# KiCad board Bellbot.kicad_pcb
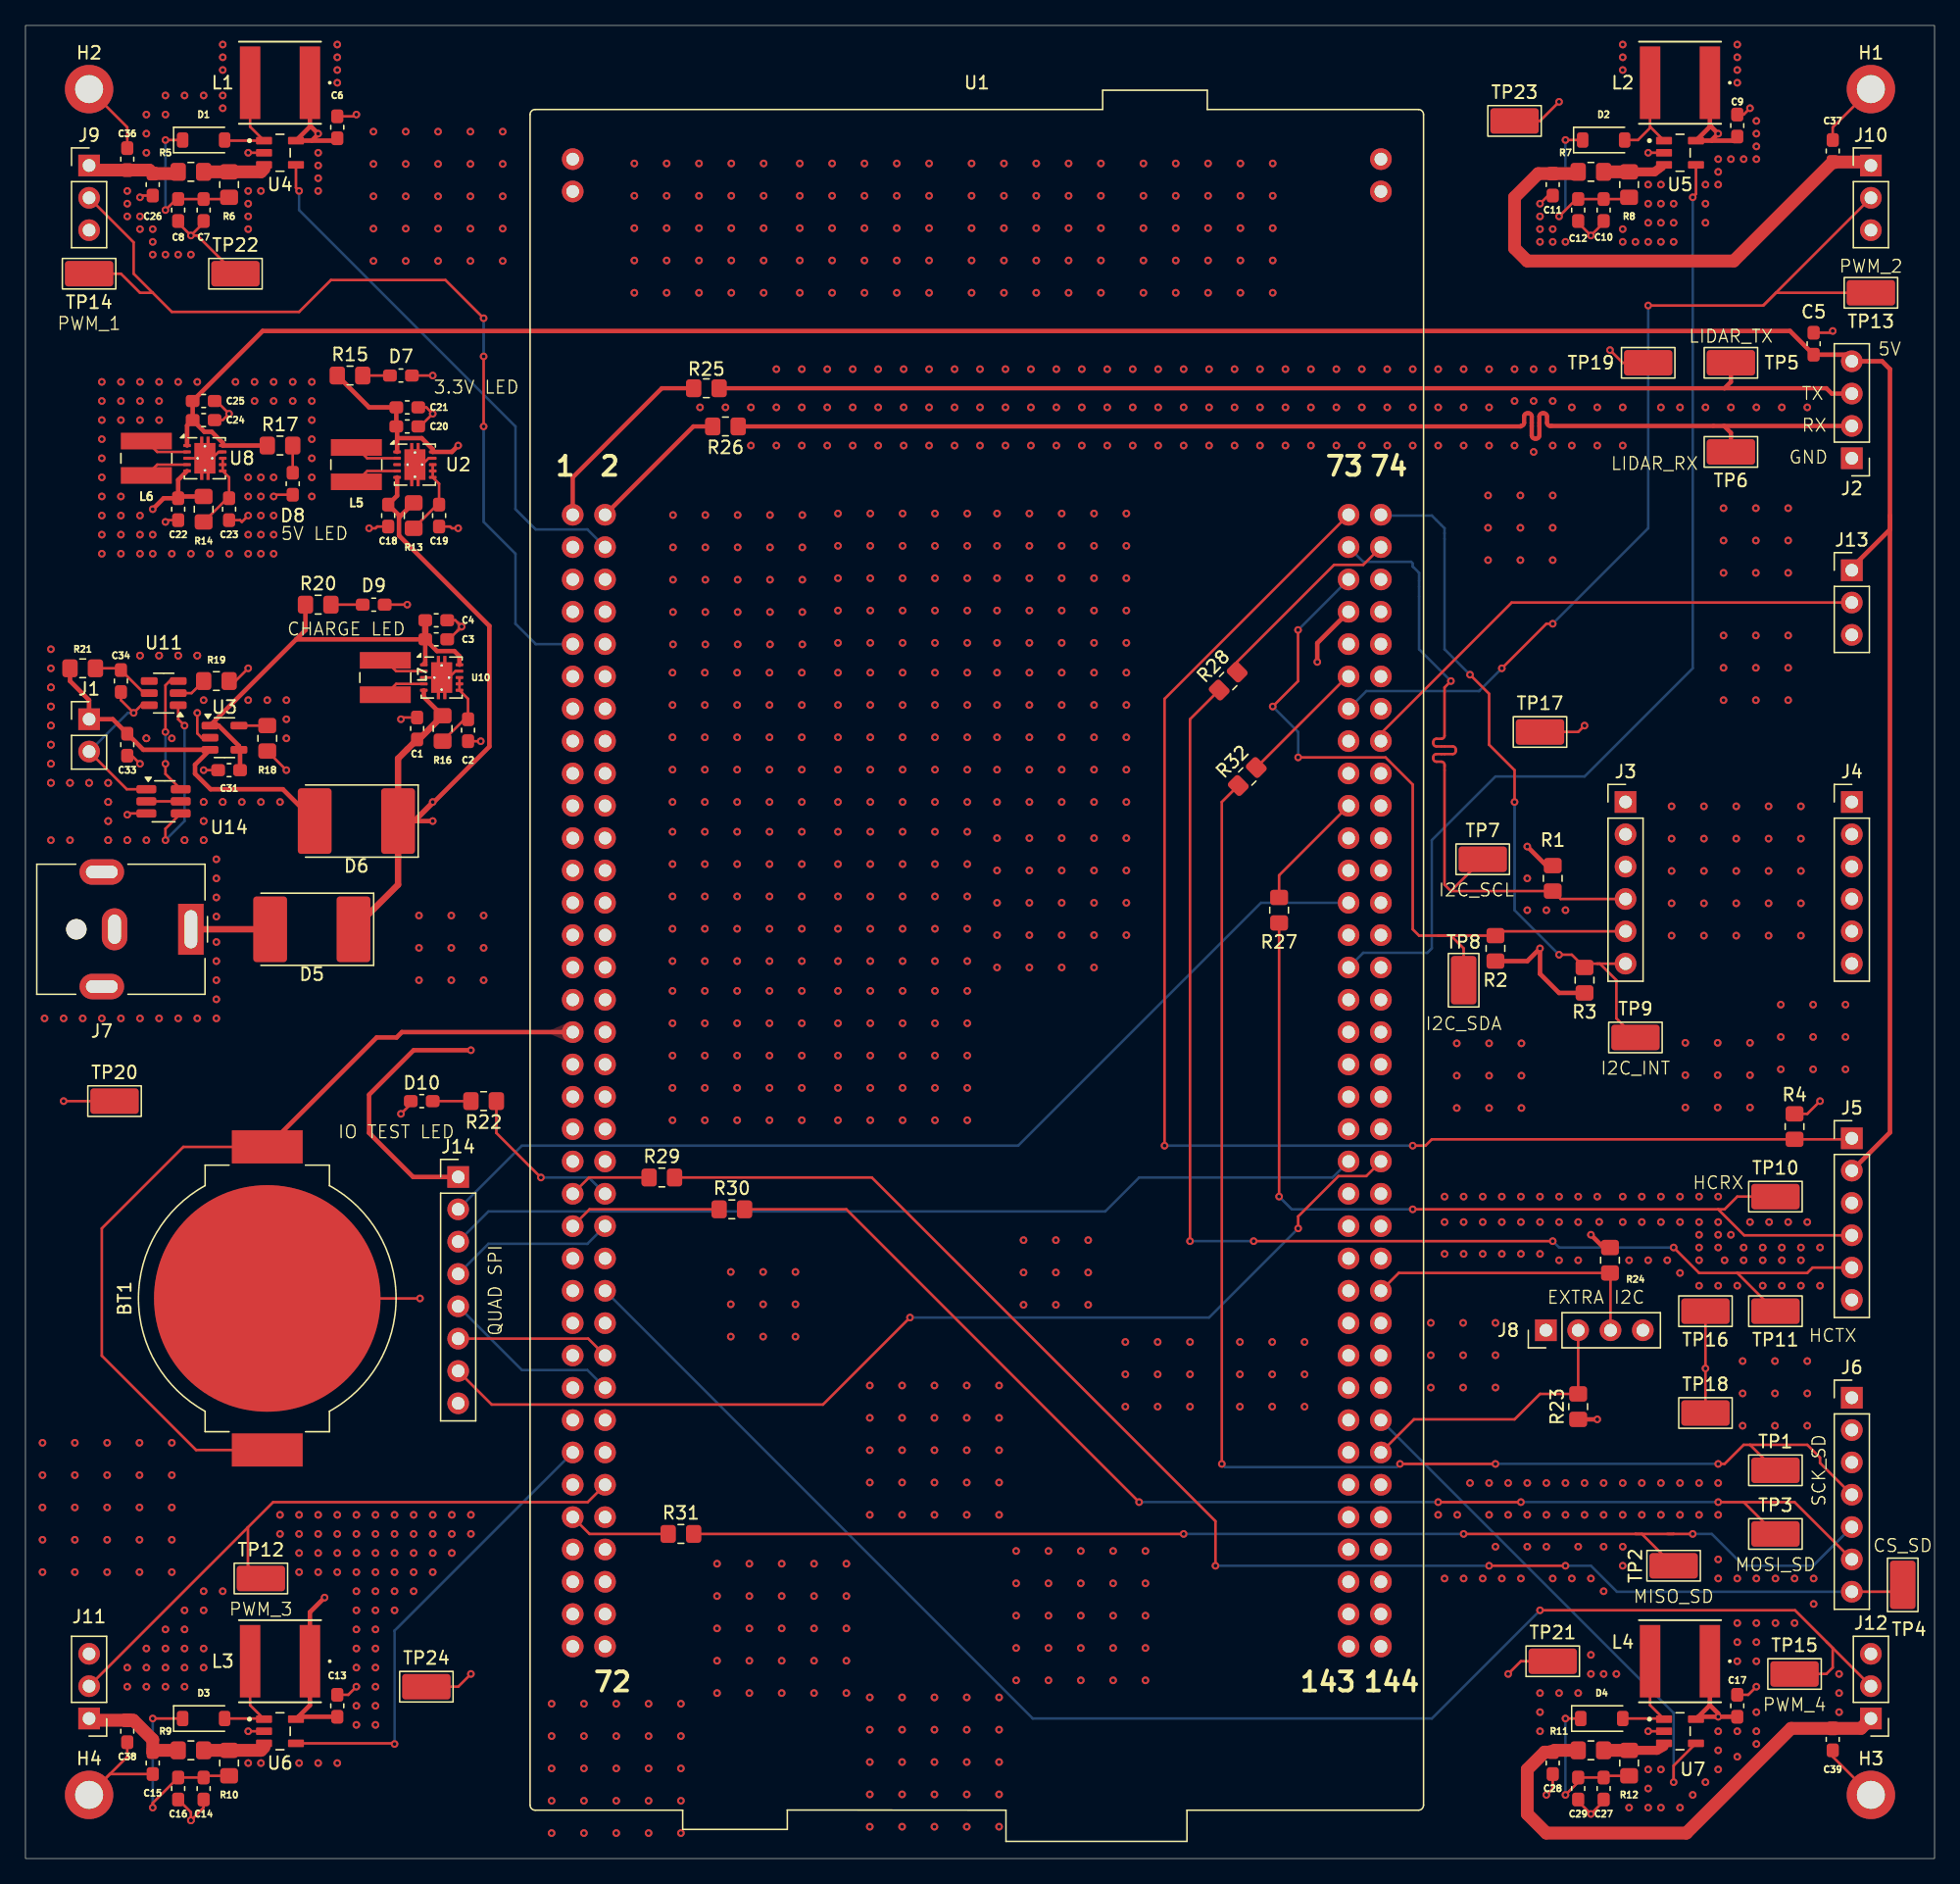
[diagram p0: board, top side]
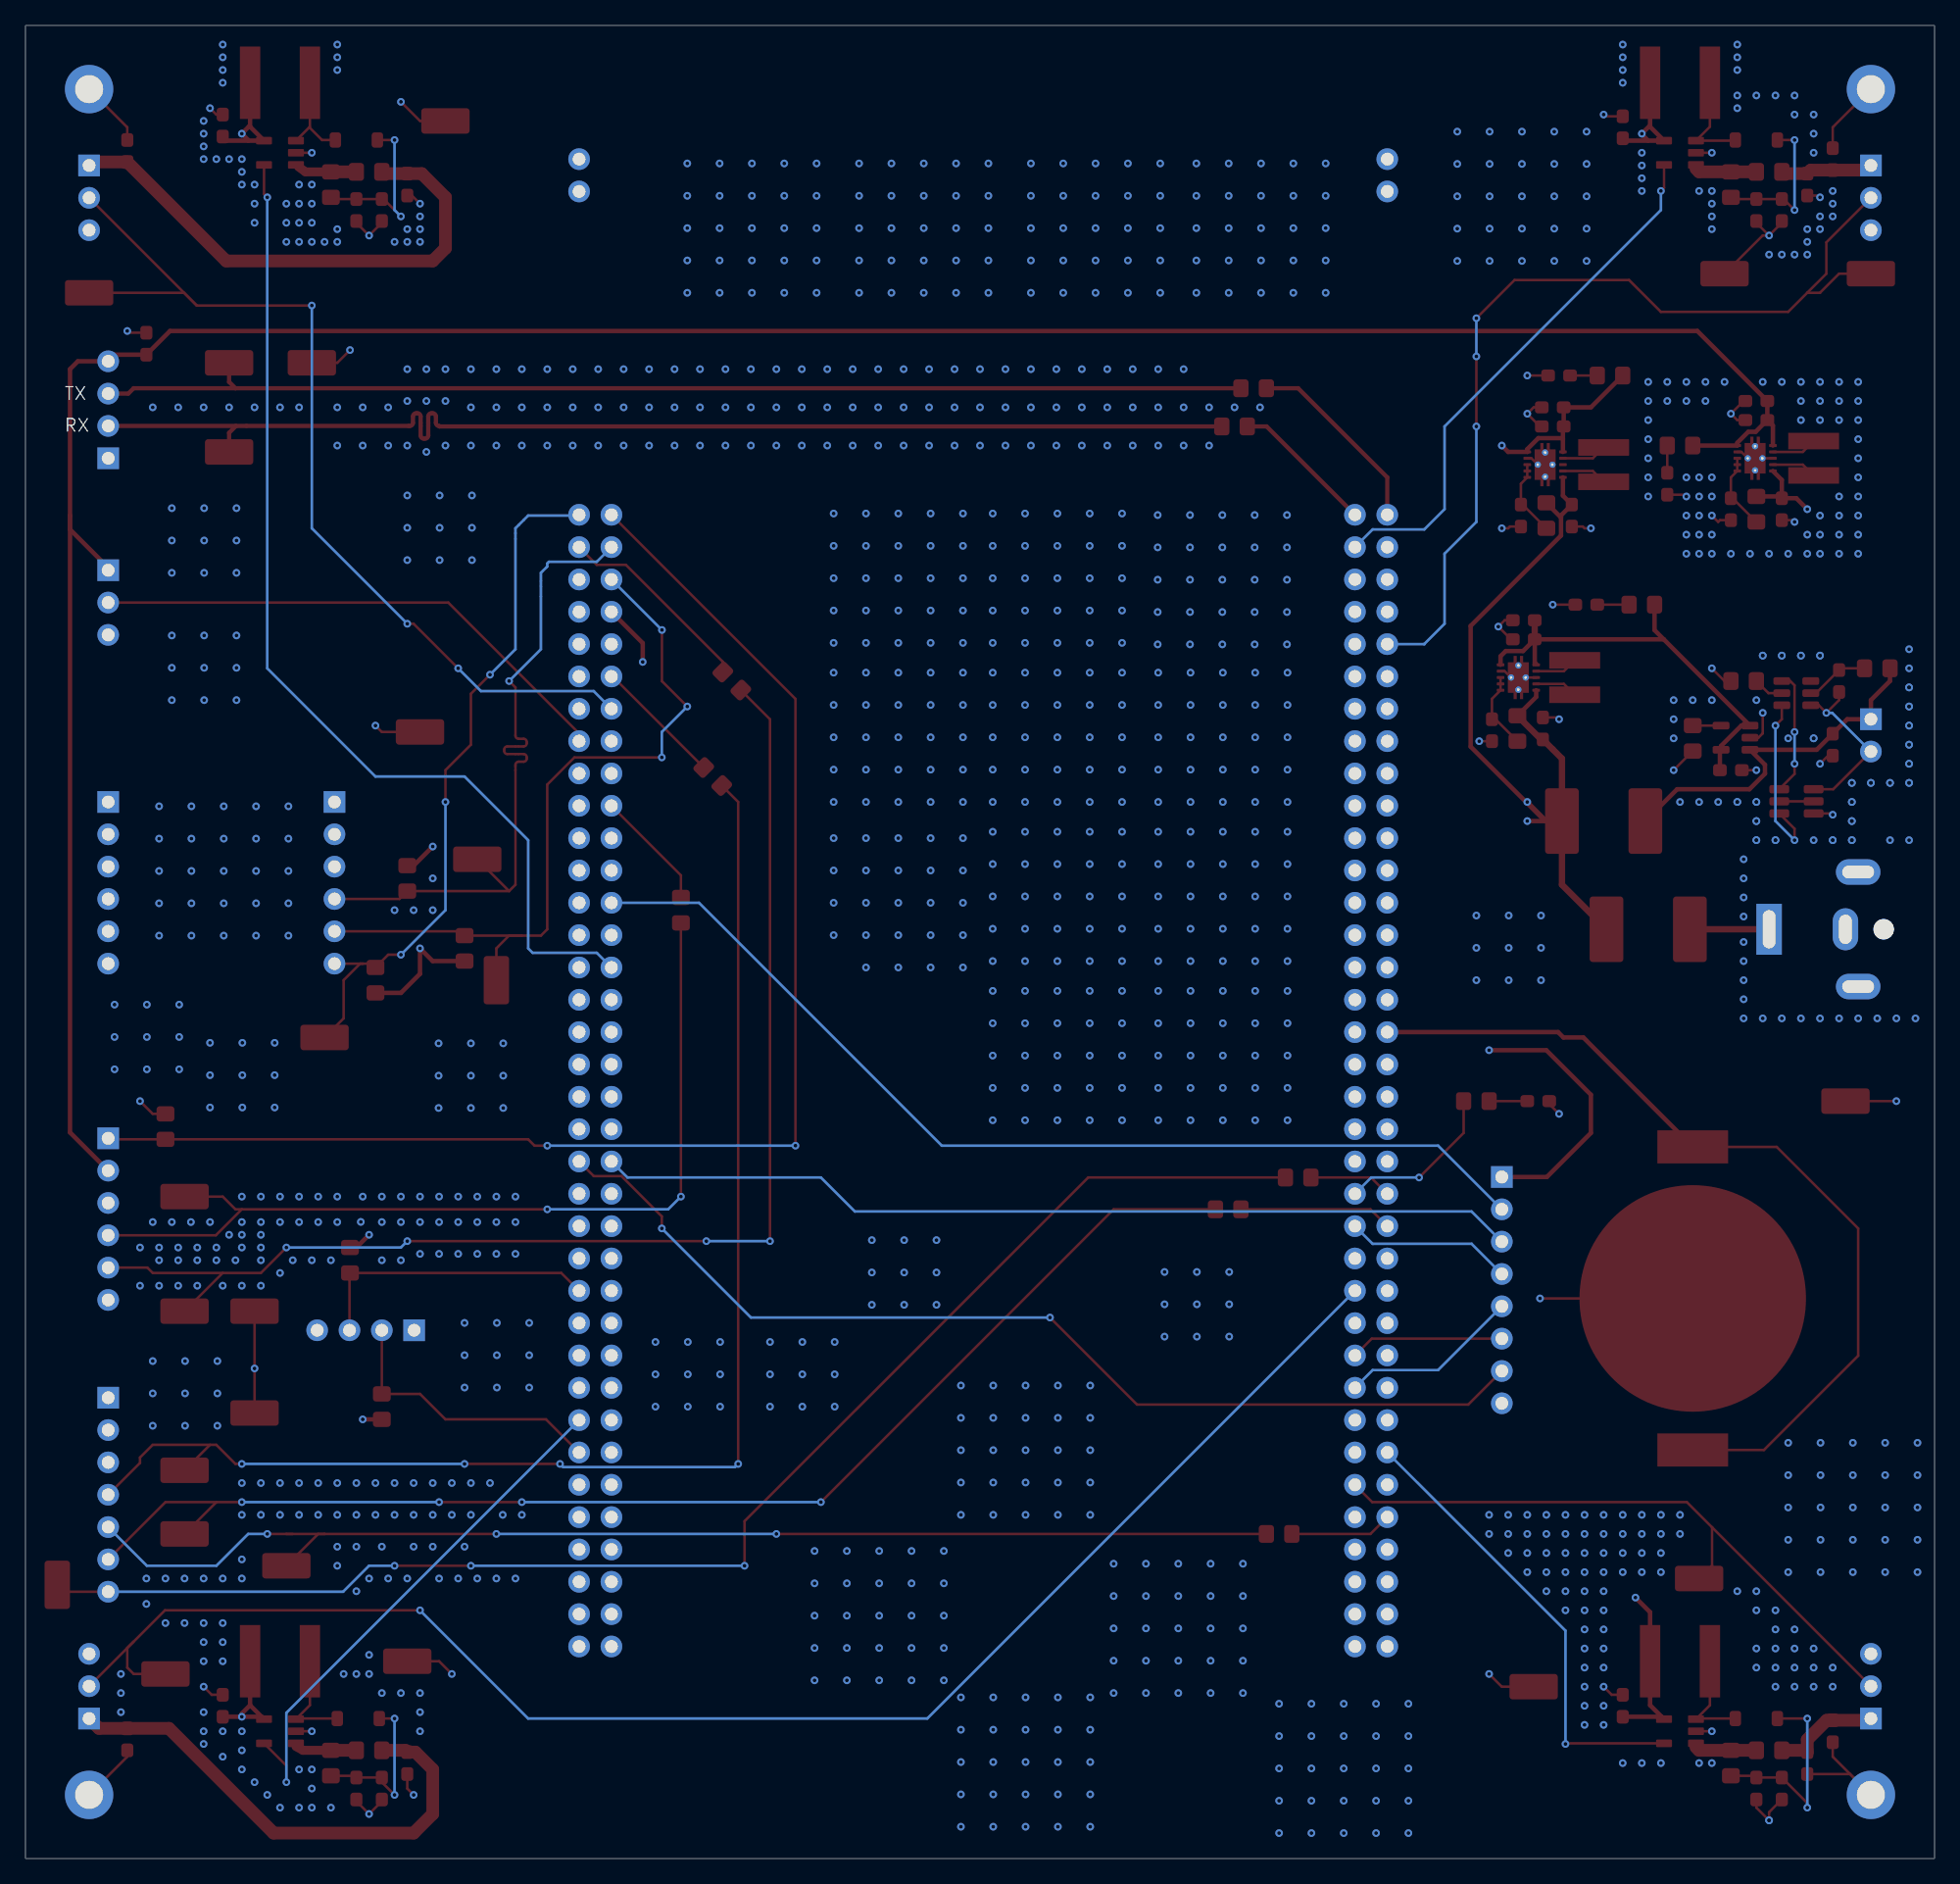
[diagram p1: board, bottom side, seen from below]

Outline 150 x 144 mm; copper layers: Top, In1.Cu, In2.Cu, Bottom. Coordinates in mm from the lower left corner of the outline.
Outline path: rectangle 0,144 150,0
Stack: Top 0.035mm / dielectric 0.203mm 7628 er 4.4 / In1.Cu 0.03mm / dielectric 1.03mm FR4 er 4.5 / In2.Cu 0.03mm / dielectric 0.203mm 7628 er 4.4 / Bottom 0.035mm

## Placement (name value [footprint] x y rotation side)
BT1  Battery_Cell  [BatteryHolder_MPD_BC2003_1x2032]  19 44 90 top
C1  10uF  [C_0603_1608Metric_Pad1.08x0.95mm_HandSolder]  30.78 88.78 90 top
C2  .1uF  [C_0603_1608Metric_Pad1.08x0.95mm_HandSolder]  34.78 88.64 270 top
C3  10uF  [C_0603_1608Metric_Pad1.08x0.95mm_HandSolder]  32.28 95.78 0 top
C4  10uF  [C_0603_1608Metric_Pad1.08x0.95mm_HandSolder]  32.28 97.28 0 top
C5  100nF  [C_0603_1608Metric_Pad1.08x0.95mm_HandSolder]  140.5 119 90 top
C6  4.7uF  [C_0603_1608Metric_Pad1.08x0.95mm_HandSolder]  24.5 136 90 top
C7  47pF  [C_0603_1608Metric_Pad1.08x0.95mm_HandSolder]  14 129.5 270 top
C8  22uF  [C_0603_1608Metric_Pad1.08x0.95mm_HandSolder]  12 129.5 270 top
C9  4.7uF  [C_0603_1608Metric_Pad1.08x0.95mm_HandSolder]  134.5 136.14 90 top
C10  47pF  [C_0603_1608Metric_Pad1.08x0.95mm_HandSolder]  124 129.5 270 top
C11  10uF  [C_0603_1608Metric_Pad1.08x0.95mm_HandSolder]  120 131.5 270 top
C12  22uF  [C_0603_1608Metric_Pad1.08x0.95mm_HandSolder]  122 129.5 270 top
C13  4.7uF  [C_0603_1608Metric_Pad1.08x0.95mm_HandSolder]  24.5 12 90 top
C14  47pF  [C_0603_1608Metric_Pad1.08x0.95mm_HandSolder]  14 5.5 270 top
C15  10uF  [C_0603_1608Metric_Pad1.08x0.95mm_HandSolder]  10 7.5 270 top
C16  22uF  [C_0603_1608Metric_Pad1.08x0.95mm_HandSolder]  12 5.5 270 top
C17  4.7uF  [C_0603_1608Metric_Pad1.08x0.95mm_HandSolder]  134.5 12 90 top
C18  10uF  [C_0603_1608Metric_Pad1.08x0.95mm_HandSolder]  28.5 105.5 270 top
C19  .1uF  [C_0603_1608Metric_Pad1.08x0.95mm_HandSolder]  32.5 105.5 270 top
C20  10uF  [C_0603_1608Metric_Pad1.08x0.95mm_HandSolder]  30 112.5 0 top
C21  10uF  [C_0603_1608Metric_Pad1.08x0.95mm_HandSolder]  30 114 0 top
C22  10uF  [C_0603_1608Metric_Pad1.08x0.95mm_HandSolder]  12 106 270 top
C23  .1uF  [C_0603_1608Metric_Pad1.08x0.95mm_HandSolder]  16 106 270 top
C24  10uF  [C_0603_1608Metric_Pad1.08x0.95mm_HandSolder]  14 113 0 top
C25  10uF  [C_0603_1608Metric_Pad1.08x0.95mm_HandSolder]  14 114.5 0 top
C26  10uF  [C_0603_1608Metric_Pad1.08x0.95mm_HandSolder]  10 131.5 270 top
C27  47pF  [C_0603_1608Metric_Pad1.08x0.95mm_HandSolder]  124 5.5 270 top
C28  10uF  [C_0603_1608Metric_Pad1.08x0.95mm_HandSolder]  120 7.5 270 top
C29  22uF  [C_0603_1608Metric_Pad1.08x0.95mm_HandSolder]  122 5.5 270 top
C31  1uF  [C_0603_1608Metric_Pad1.08x0.95mm_HandSolder]  16 85.5 180 top
C33  1uF  [C_0603_1608Metric_Pad1.08x0.95mm_HandSolder]  8 87.5 90 top
C34  .1uF  [C_0603_1608Metric_Pad1.08x0.95mm_HandSolder]  7.5 92.5 270 top
C36  470uF  [C_0603_1608Metric_Pad1.08x0.95mm_HandSolder]  8 133.5 90 top
C37  470uF  [C_0603_1608Metric_Pad1.08x0.95mm_HandSolder]  142 134.14 90 top
C38  470uF  [C_0603_1608Metric_Pad1.08x0.95mm_HandSolder]  8 10 270 top
C39  470uF  [C_0603_1608Metric_Pad1.08x0.95mm_HandSolder]  142 9.36 270 top
D1  MBR0520LT  [D_SOD-123]  14 135 0 top
D2  MBR0520LT  [D_SOD-123]  124 135 0 top
D3  MBR0520LT  [D_SOD-123]  14 11 0 top
D4  MBR0520LT  [D_SOD-123]  123.85 11 0 top
D5  D_Schottky  [D_3220_8050Metric_Pad2.65x5.15mm_HandSolder]  22.5 73 180 top
D6  D_Schottky  [D_3220_8050Metric_Pad2.65x5.15mm_HandSolder]  26 81.5 180 top
D7  LED  [C_0603_1608Metric_Pad1.08x0.95mm_HandSolder]  29.5 116.5 180 top
D8  LED  [C_0603_1608Metric_Pad1.08x0.95mm_HandSolder]  21 108 90 top
D9  LED  [C_0603_1608Metric_Pad1.08x0.95mm_HandSolder]  27.36 98.5 180 top
D10  LED  [C_0603_1608Metric_Pad1.08x0.95mm_HandSolder]  31.14 59.5 0 top
H1  MountingHole_Pad  [MountingHole_2.2mm_M2_DIN965_Pad]  145 139 0 top
H2  MountingHole_Pad  [MountingHole_2.2mm_M2_DIN965_Pad]  5 139 0 top
H3  MountingHole_Pad  [MountingHole_2.2mm_M2_DIN965_Pad]  145 5 0 top
H4  MountingHole_Pad  [MountingHole_2.2mm_M2_DIN965_Pad]  5 5 0 top
J1  Conn_01x02  [PinHeader_1x02_P2.54mm_Vertical]  5 89.5 0 top
J2  Conn_01x04  [PinHeader_1x04_P2.54mm_Vertical]  143.5 110 180 top
J3  Conn_01x06  [PinHeader_1x06_P2.54mm_Vertical]  125.72 83 0 top
J4  Conn_01x06  [PinHeader_1x06_P2.54mm_Vertical]  143.5 83 0 top
J5  Conn_01x06  [PinHeader_1x06_P2.54mm_Vertical]  143.5 56.58 0 top
J6  Conn_01x07  [PinHeader_1x07_P2.54mm_Vertical]  143.5 36.2 0 top
J7  Jack-DC  [BarrelJack_CUI_PJ-063AH_Horizontal]  13 73 270 top
J8  Conn_01x04  [PinHeader_1x04_P2.54mm_Vertical]  119.46 41.5 90 top
J9  Conn_01x03  [PinHeader_1x03_P2.54mm_Vertical]  5 133 0 top
J10  Conn_01x03  [PinHeader_1x03_P2.54mm_Vertical]  145 133 0 top
J11  Conn_01x03  [PinHeader_1x03_P2.54mm_Vertical]  5 11 180 top
J12  Conn_01x03  [PinHeader_1x03_P2.54mm_Vertical]  145 11 180 top
J13  Conn_01x03  [PinHeader_1x03_P2.54mm_Vertical]  143.5 101.2 0 top
J14  Conn_01x08  [PinHeader_1x08_P2.54mm_Vertical]  34 53.54 0 top
L1  6.8uH  [NR6020T6R8]  20 139.5 180 top
L2  6.8uH  [NR6020T6R8]  130 139.5 180 top
L3  6.8uH  [NR6020T6R8]  20 15.5 180 top
L4  6.8uH  [NR6020T6R8]  130 15.5 180 top
L5  2.2uH  [IND_VLS4012ET-2R2M-CA]  26 109.5 270 top
L6  2.2uH  [IND_VLS4012ET-2R2M-CA]  9.5 110 270 top
L7  2.2uH  [IND_VLS4012ET-2R2M-CA]  28.28 92.78 270 top
R1  10K  [R_0805_2012Metric_Pad1.20x1.40mm_HandSolder]  120 77 270 top
R2  10K  [R_0805_2012Metric_Pad1.20x1.40mm_HandSolder]  115.5 71.5 90 top
R3  10K  [R_0805_2012Metric_Pad1.20x1.40mm_HandSolder]  122.5 69 90 top
R4  10K  [R_0805_2012Metric_Pad1.20x1.40mm_HandSolder]  139 57.5 270 top
R5  10K  [R_0805_2012Metric_Pad1.20x1.40mm_HandSolder]  13 132.5 0 top
R6  56.2K  [R_0805_2012Metric_Pad1.20x1.40mm_HandSolder]  16 131.5 270 top
R7  10K  [R_0805_2012Metric_Pad1.20x1.40mm_HandSolder]  123 132.5 0 top
R8  56.2K  [R_0805_2012Metric_Pad1.20x1.40mm_HandSolder]  126 131.5 270 top
R9  10K  [R_0805_2012Metric_Pad1.20x1.40mm_HandSolder]  13 8.5 0 top
R10  56.2K  [R_0805_2012Metric_Pad1.20x1.40mm_HandSolder]  16 7.5 270 top
R11  10K  [R_0805_2012Metric_Pad1.20x1.40mm_HandSolder]  123 8.5 0 top
R12  56.2K  [R_0805_2012Metric_Pad1.20x1.40mm_HandSolder]  126 7.5 270 top
R13  100  [R_0805_2012Metric_Pad1.20x1.40mm_HandSolder]  30.5 105.5 270 top
R14  100  [R_0805_2012Metric_Pad1.20x1.40mm_HandSolder]  14 106 270 top
R15  65  [R_0805_2012Metric_Pad1.20x1.40mm_HandSolder]  25.5 116.5 0 top
R16  100  [R_0805_2012Metric_Pad1.20x1.40mm_HandSolder]  32.78 88.78 270 top
R17  150  [R_0805_2012Metric_Pad1.20x1.40mm_HandSolder]  20 111 0 top
R18  2k  [R_0805_2012Metric_Pad1.20x1.40mm_HandSolder]  19 88 270 top
R19  1k  [R_0805_2012Metric_Pad1.20x1.40mm_HandSolder]  15 92.5 0 top
R20  150  [R_0805_2012Metric_Pad1.20x1.40mm_HandSolder]  23 98.5 0 top
R21  100  [R_0805_2012Metric_Pad1.20x1.40mm_HandSolder]  4.5 93.5 0 top
R22  65  [R_0805_2012Metric_Pad1.20x1.40mm_HandSolder]  36 59.5 180 top
R23  10K  [R_0805_2012Metric_Pad1.20x1.40mm_HandSolder]  122 35.5 90 top
R24  10K  [R_0805_2012Metric_Pad1.20x1.40mm_HandSolder]  124.5 47 270 top
R25  22  [R_0805_2012Metric_Pad1.20x1.40mm_HandSolder]  53.5 115.5 180 top
R26  22  [R_0805_2012Metric_Pad1.20x1.40mm_HandSolder]  55 112.5 180 top
R27  22  [R_0805_2012Metric_Pad1.20x1.40mm_HandSolder]  98.5 74.5 270 top
R28  22  [R_0805_2012Metric_Pad1.20x1.40mm_HandSolder]  94.5 92.5 45 top
R29  22  [R_0805_2012Metric_Pad1.20x1.40mm_HandSolder]  50 53.5 0 top
R30  22  [R_0805_2012Metric_Pad1.20x1.40mm_HandSolder]  55.5 51 0 top
R31  22  [R_0805_2012Metric_Pad1.20x1.40mm_HandSolder]  51.5 25.5 0 top
R32  22  [R_0805_2012Metric_Pad1.20x1.40mm_HandSolder]  96 85 45 top
TP1  SCK_SD_TP  [TestPoint_Keystone_5019_Miniature]  137.5 30.5 0 top
TP2  MISO_SD_TP  [TestPoint_Keystone_5019_Miniature]  129.5 23 0 top
TP3  MOSI_SD_TP  [TestPoint_Keystone_5019_Miniature]  137.5 25.5 0 top
TP4  CS_SD_TP  [TestPoint_Keystone_5019_Miniature]  147.5 21.5 90 top
TP5  TX_LIDAR_TP  [TestPoint_Keystone_5019_Miniature]  134 117.5 0 top
TP6  RX_LIDAR_TP  [TestPoint_Keystone_5019_Miniature]  134 110.5 180 top
TP7  SCL_TP  [TestPoint_Keystone_5019_Miniature]  114.5 78.5 0 top
TP8  SDA_TP  [TestPoint_Keystone_5019_Miniature]  113 69 90 top
TP9  INT_TP  [TestPoint_Keystone_5019_Miniature]  126.5 64.5 0 top
TP10  HC05_RX_TP  [TestPoint_Keystone_5019_Miniature]  137.5 52 0 top
TP11  HC05_TX_TP  [TestPoint_Keystone_5019_Miniature]  137.5 43 180 top
TP12  HP3_TP  [TestPoint_Keystone_5019_Miniature]  18.5 22 0 top
TP13  HP2_TP  [TestPoint_Keystone_5019_Miniature]  145 123 180 top
TP14  HP1_TP  [TestPoint_Keystone_5019_Miniature]  5 124.5 180 top
TP15  HP4_TP  [TestPoint_Keystone_5019_Miniature]  139 14.5 0 top
TP16  GND_2  [TestPoint_Keystone_5019_Miniature]  132 43 180 top
TP17  GND_3  [TestPoint_Keystone_5019_Miniature]  119 88.5 0 top
TP18  GND_4  [TestPoint_Keystone_5019_Miniature]  132 35 0 top
TP19  GND_5  [TestPoint_Keystone_5019_Miniature]  127.5 117.5 0 top
TP20  GND_1  [TestPoint_Keystone_5019_Miniature]  7 59.5 0 top
TP21  GND_6  [TestPoint_Keystone_5019_Miniature]  120 15.5 0 top
TP22  GND_7  [TestPoint_Keystone_5019_Miniature]  16.5 124.5 0 top
TP23  GND_8  [TestPoint_Keystone_5019_Miniature]  117 136.5 0 top
TP24  GND_9  [TestPoint_Keystone_5019_Miniature]  31.5 13.5 0 top
U1  NUCLEO144-F767ZI  [ST_Morpho_Connector_144_STLink]  43 105.56 0 top
U2  TPS63001  [Texas_DRC0010J_ThermalVias]  30.6 109.5 0 top
U3  MCP73812T-420I-OT  [SOT-23-5]  15.64 88.05 0 top
U4  ~  [LT1935]  20 134 0 top
U5  ~  [LT1935]  130 134 0 top
U6  ~  [LT1935]  20 10 0 top
U7  ~  [LT1935]  130 10 0 top
U8  TPS63002  [Texas_DRC0010J_ThermalVias]  14.1 110 0 top
U10  TPS63002  [Texas_DRC0010J_ThermalVias]  32.7 92.78 0 top
U11  DW01A  [SOT-23-6]  10.86 91.55 180 top
U14  ~  [SOT-23-6_Handsoldering]  10.85 83.05 0 top

## Library data of the parts
BT1 = -: Description: Single-cell battery
C1 C18 C22 C31 C33 = -: Description: Unpolarized capacitor, small symbol X7R; ki_fp_filters: C_*
C2-C4 C6-C17 C19-C21 C23-C29 C34 C36-C39 = -: Description: Unpolarized capacitor, small symbol; ki_fp_filters: C_*
C5 = -: Description: capacitor, small US symbol; ki_fp_filters: C_*
D1-D4 = -: Datasheet: http://www.onsemi.com/pub_link/Collateral/MBR0520LT1-D.PDF; Description: 20V 0.5A Schottky Power Rectifier Diode, SOD-123; ki_fp_filters: D*SOD?123*
D5 D6 = -: Description: Schottky diode; ki_fp_filters: TO-???* *_Diode_* *SingleDiode* D_*
D7-D10 = -: Description: Light emitting diode; KiLib_Generator: SMD_2terminal_chip_molded; Sim.Pins: 1=K 2=A; ki_fp_filters: LED* LED_SMD:* LED_THT:*
H1-H4 = -: Description: Mounting Hole with connection; ki_fp_filters: MountingHole*Pad*
J1 = -: Description: Generic connector, single row, 01x02, script generated (kicad-library-utils/schlib/autogen/connector/); ki_fp_filters: Connector*:*_1x??_*
J2 = -: Description: Generic connector, single row, 01x04, script generated (kicad-library-utils/schlib/autogen/connector/); ki_fp_filters: Connector*:*_1x??_*
J3-J5 = -: Description: Generic connector, single row, 01x06, script generated (kicad-library-utils/schlib/autogen/connector/); ki_fp_filters: Connector*:*_1x??_*
J6 = -: Description: Generic connector, single row, 01x07, script generated (kicad-library-utils/schlib/autogen/connector/); ki_fp_filters: Connector*:*_1x??_*
J7 = -: Description: DC Barrel Jack; ki_fp_filters: BarrelJack*
J8 = -: Description: Generic connector, single row, 01x04, script generated (kicad-library-utils/schlib/autogen/connector/); KiLib_Generator: connector/pin_header_socket; ki_fp_filters: Connector*:*_1x??_*
J9-J12 = -: Description: Generic connector, single row, 01x03, script generated (kicad-library-utils/schlib/autogen/connector/); ki_fp_filters: Connector*:*_1x??_*
J13 = -: Description: Generic connector, single row, 01x03, script generated (kicad-library-utils/schlib/autogen/connector/); KiLib_Generator: connector/pin_header_socket; ki_fp_filters: Connector*:*_1x??_*
J14 = -: Description: Generic connector, single row, 01x08, script generated (kicad-library-utils/schlib/autogen/connector/); KiLib_Generator: connector/pin_header_socket; ki_fp_filters: Connector*:*_1x??_*
L1-L7 = -: Description: Inductor; ki_fp_filters: Choke_* *Coil* Inductor_* L_*
R1-R14 R16 R18 R19 R21 = -: Description: Resistor, small US symbol; ki_fp_filters: R_*
R15 R17 R20 R22-R32 = -: Description: Resistor, small US symbol; KiLib_Generator: SMD_2terminal_chip_molded; ki_fp_filters: R_*
TP1-TP24 = -: Description: test point; ki_fp_filters: Pin* Test*
U1 = -: Datasheet: https://www.st.com/resource/en/user_manual/dm00244518-stm32-nucleo144-boards-stmicroelectronics.pdf; Description: Nucleo 144 Development Board with STM32F767ZIT6 MCU, 512kB RAM, 2Mb FLASH; ki_fp_filters: ST*Morpho*Connector*144*STLink*
U2 U8 U10 = -: Datasheet: http://www.ti.com/lit/ds/symlink/tps63000.pdf; Description: Buck-Boost Converter, 1.8-5.5V Input Voltage, 1.8A Switch Current, Adjustable 1.2-5.5V Output Voltage, VSON-10; ki_fp_filters: Texas*DRC0010J*
U3 = -: Datasheet: http://ww1.microchip.com/downloads/en/DeviceDoc/22036b.pdf; Description: Simple, Miniature Single-Cell, Fully Integrated Li-Ion / Li-Polymer Charge Management Controllers, 50mA-500mA, 4.2V, SOT23-5; ki_fp_filters: SOT?23*
U11 = -: Datasheet: https://hmsemi.com/downfile/DW01A.PDF; Description: Overcharge, overcurrent and overdischarge protection IC for single cell lithium-ion/polymer battery; ki_fp_filters: SOT?23*

## Footprints (pads in the part's own frame, mm; a bottom-side part is the same pattern mirrored in y, then rotated)
BarrelJack_CUI_PJ-063AH_Horizontal
  round 1.6 hole 1.6 unplated: (0,-9)
  rect 4x2 hole 3x1: 1(0,0)
  oval 3.3x2 hole 2.3x1: 2(0,-6)
  oval 2x3.5 hole 1x2.5: MP(-4.5,-7) MP(4.5,-7)
BatteryHolder_MPD_BC2003_1x2032
  rect 2.6x5.56 smd: 1(-11.905,0) 1(11.905,0)
  round 17.8 smd: 2(0,0)
C_0603_1608Metric_Pad1.08x0.95mm_HandSolder
  rrect 1.075x0.95 smd: 1(-0.863,0) 2(0.863,0)
D_3220_8050Metric_Pad2.65x5.15mm_HandSolder
  rrect 2.65x5.15 smd: 1(-3.275,0) 2(3.275,0)
D_SOD-123
  rrect 0.9x1.2 smd: 1(-1.65,0) 2(1.65,0)
IND_VLS4012ET-2R2M-CA
  rect 1.3x4 smd: 1(-1.35,0) 2(1.35,0)
LT1935
  rrect 1.25x0.59 smd: 1(-1.255,0.95) 2(-1.255,0) 3(-1.255,-0.95) 4(1.255,-0.95) 5(1.255,0.95)
MountingHole_2.2mm_M2_DIN965_Pad
  round 3.8 hole 2.2: 1(0,0)
NR6020T6R8
  rect 1.6x5.69 smd: 1(-2.349,0) 2(2.349,0)
PinHeader_1x02_P2.54mm_Vertical
  rect 1.7x1.7 hole 1: 1(0,0)
  round 1.7 hole 1: 2(0,-2.54)
PinHeader_1x03_P2.54mm_Vertical
  rect 1.7x1.7 hole 1: 1(0,0)
  round 1.7 hole 1: 2(0,-2.54) 3(0,-5.08)
PinHeader_1x04_P2.54mm_Vertical
  rect 1.7x1.7 hole 1: 1(0,0)
  round 1.7 hole 1: 2(0,-2.54) 3(0,-5.08) 4(0,-7.62)
PinHeader_1x06_P2.54mm_Vertical
  rect 1.7x1.7 hole 1: 1(0,0)
  round 1.7 hole 1: 2(0,-2.54) 3(0,-5.08) 4(0,-7.62) 5(0,-10.16) 6(0,-12.7)
PinHeader_1x07_P2.54mm_Vertical
  rect 1.7x1.7 hole 1: 1(0,0)
  round 1.7 hole 1: 2(0,-2.54) 3(0,-5.08) 4(0,-7.62) 5(0,-10.16) 6(0,-12.7) 7(0,-15.24)
PinHeader_1x08_P2.54mm_Vertical
  rect 1.7x1.7 hole 1: 1(0,0)
  round 1.7 hole 1: 2(0,-2.54) 3(0,-5.08) 4(0,-7.62) 5(0,-10.16) 6(0,-12.7) 7(0,-15.24) 8(0,-17.78)
R_0805_2012Metric_Pad1.20x1.40mm_HandSolder
  rrect 1.2x1.4 smd: 1(-1,0) 2(1,0)
SOT-23-5
  rrect 1.325x0.6 smd: 1(-1.137,0.95) 2(-1.137,0) 3(-1.137,-0.95) 4(1.137,-0.95) 5(1.137,0.95)
SOT-23-6
  rrect 1.325x0.6 smd: 1(-1.137,0.95) 2(-1.137,0) 3(-1.137,-0.95) 4(1.137,-0.95) 5(1.137,0) 6(1.137,0.95)
SOT-23-6_Handsoldering
  rrect 1.56x0.65 smd: 1(-1.35,0.95) 2(-1.35,0) 3(-1.35,-0.95) 4(1.35,-0.95) 5(1.35,0) 6(1.35,0.95)
ST_Morpho_Connector_144_STLink
  round 1.7 hole 1: 1(0,0) 2(2.54,0) 3(0,-2.54) 4(2.54,-2.54) 5(0,-5.08) 6(2.54,-5.08) 7(0,-7.62) 8(2.54,-7.62) 9(0,-10.16) 10(2.54,-10.16) 11(0,-12.7) 12(2.54,-12.7) 13(0,-15.24) 14(2.54,-15.24) 15(0,-17.78) 16(2.54,-17.78) 17(0,-20.32) 18(2.54,-20.32) 19(0,-22.86) 20(2.54,-22.86) 21(0,-25.4) 22(2.54,-25.4) 23(0,-27.94) 24(2.54,-27.94) 25(0,-30.48) 26(2.54,-30.48) 27(0,-33.02) 28(2.54,-33.02) 29(0,-35.56) 30(2.54,-35.56) 31(0,-38.1) 32(2.54,-38.1) 33(0,-40.64) 34(2.54,-40.64) 35(0,-43.18) 36(2.54,-43.18) 37(0,-45.72) 38(2.54,-45.72) 39(0,-48.26) 40(2.54,-48.26) 41(0,-50.8) 42(2.54,-50.8) 43(0,-53.34) 44(2.54,-53.34) 45(0,-55.88) 46(2.54,-55.88) 47(0,-58.42) 48(2.54,-58.42) 49(0,-60.96) 50(2.54,-60.96) 51(0,-63.5) 52(2.54,-63.5) 53(0,-66.04) 54(2.54,-66.04) 55(0,-68.58) 56(2.54,-68.58) 57(0,-71.12) 58(2.54,-71.12) 59(0,-73.66) 60(2.54,-73.66) 61(0,-76.2) 62(2.54,-76.2) 63(0,-78.74) 64(2.54,-78.74) 65(0,-81.28) 66(2.54,-81.28) 67(0,-83.82) 68(2.54,-83.82) 69(0,-86.36) 70(2.54,-86.36) 71(0,-88.9) 72(2.54,-88.9) 73(60.96,0) 74(63.5,0) 75(60.96,-2.54) 76(63.5,-2.54) 77(60.96,-5.08) 78(63.5,-5.08) 79(60.96,-7.62) 80(63.5,-7.62) 81(60.96,-10.16) 82(63.5,-10.16) 83(60.96,-12.7) 84(63.5,-12.7) 85(60.96,-15.24) 86(63.5,-15.24) 87(60.96,-17.78) 88(63.5,-17.78) 89(60.96,-20.32) 90(63.5,-20.32) 91(60.96,-22.86) 92(63.5,-22.86) 93(60.96,-25.4) 94(63.5,-25.4) 95(60.96,-27.94) 96(63.5,-27.94) 97(60.96,-30.48) 98(63.5,-30.48) 99(60.96,-33.02) 100(63.5,-33.02) 101(60.96,-35.56) 102(63.5,-35.56) 103(60.96,-38.1) 104(63.5,-38.1) 105(60.96,-40.64) 106(63.5,-40.64) 107(60.96,-43.18) 108(63.5,-43.18) 109(60.96,-45.72) 110(63.5,-45.72) 111(60.96,-48.26) 112(63.5,-48.26) 113(60.96,-50.8) 114(63.5,-50.8) 115(60.96,-53.34) 116(63.5,-53.34) 117(60.96,-55.88) 118(63.5,-55.88) 119(60.96,-58.42) 120(63.5,-58.42) 121(60.96,-60.96) 122(63.5,-60.96) 123(60.96,-63.5) 124(63.5,-63.5) 125(60.96,-66.04) 126(63.5,-66.04) 127(60.96,-68.58) 128(63.5,-68.58) 129(60.96,-71.12) 130(63.5,-71.12) 131(60.96,-73.66) 132(63.5,-73.66) 133(60.96,-76.2) 134(63.5,-76.2) 135(60.96,-78.74) 136(63.5,-78.74) 137(60.96,-81.28) 138(63.5,-81.28) 139(60.96,-83.82) 140(63.5,-83.82) 141(60.96,-86.36) 142(63.5,-86.36) 143(60.96,-88.9) 144(63.5,-88.9) 145(0,27.94) 146(0,25.4) 147(63.5,27.94) 148(63.5,25.4)
TestPoint_Keystone_5019_Miniature
  rrect 3.8x2 smd: 1(0,0)
Texas_DRC0010J_ThermalVias
  rrect 0.25x0.34 smd: (-0.25,1.53) (-0.25,-1.53) (0.25,1.53) (0.25,-1.53)
  rrect 1.5x1.06 smd: (0,0.63) (0,-0.63)